# Altium PCB Copy of PCB.PcbDoc
Units mm, origin at the board's own origin, x right, y up, seen from the top; angles counter-clockwise.
Board outline 40 x 38 mm, 2 copper layers (Top Layer, Bottom Layer); 39 components, 67 nets, 273 pads, 70 vias.
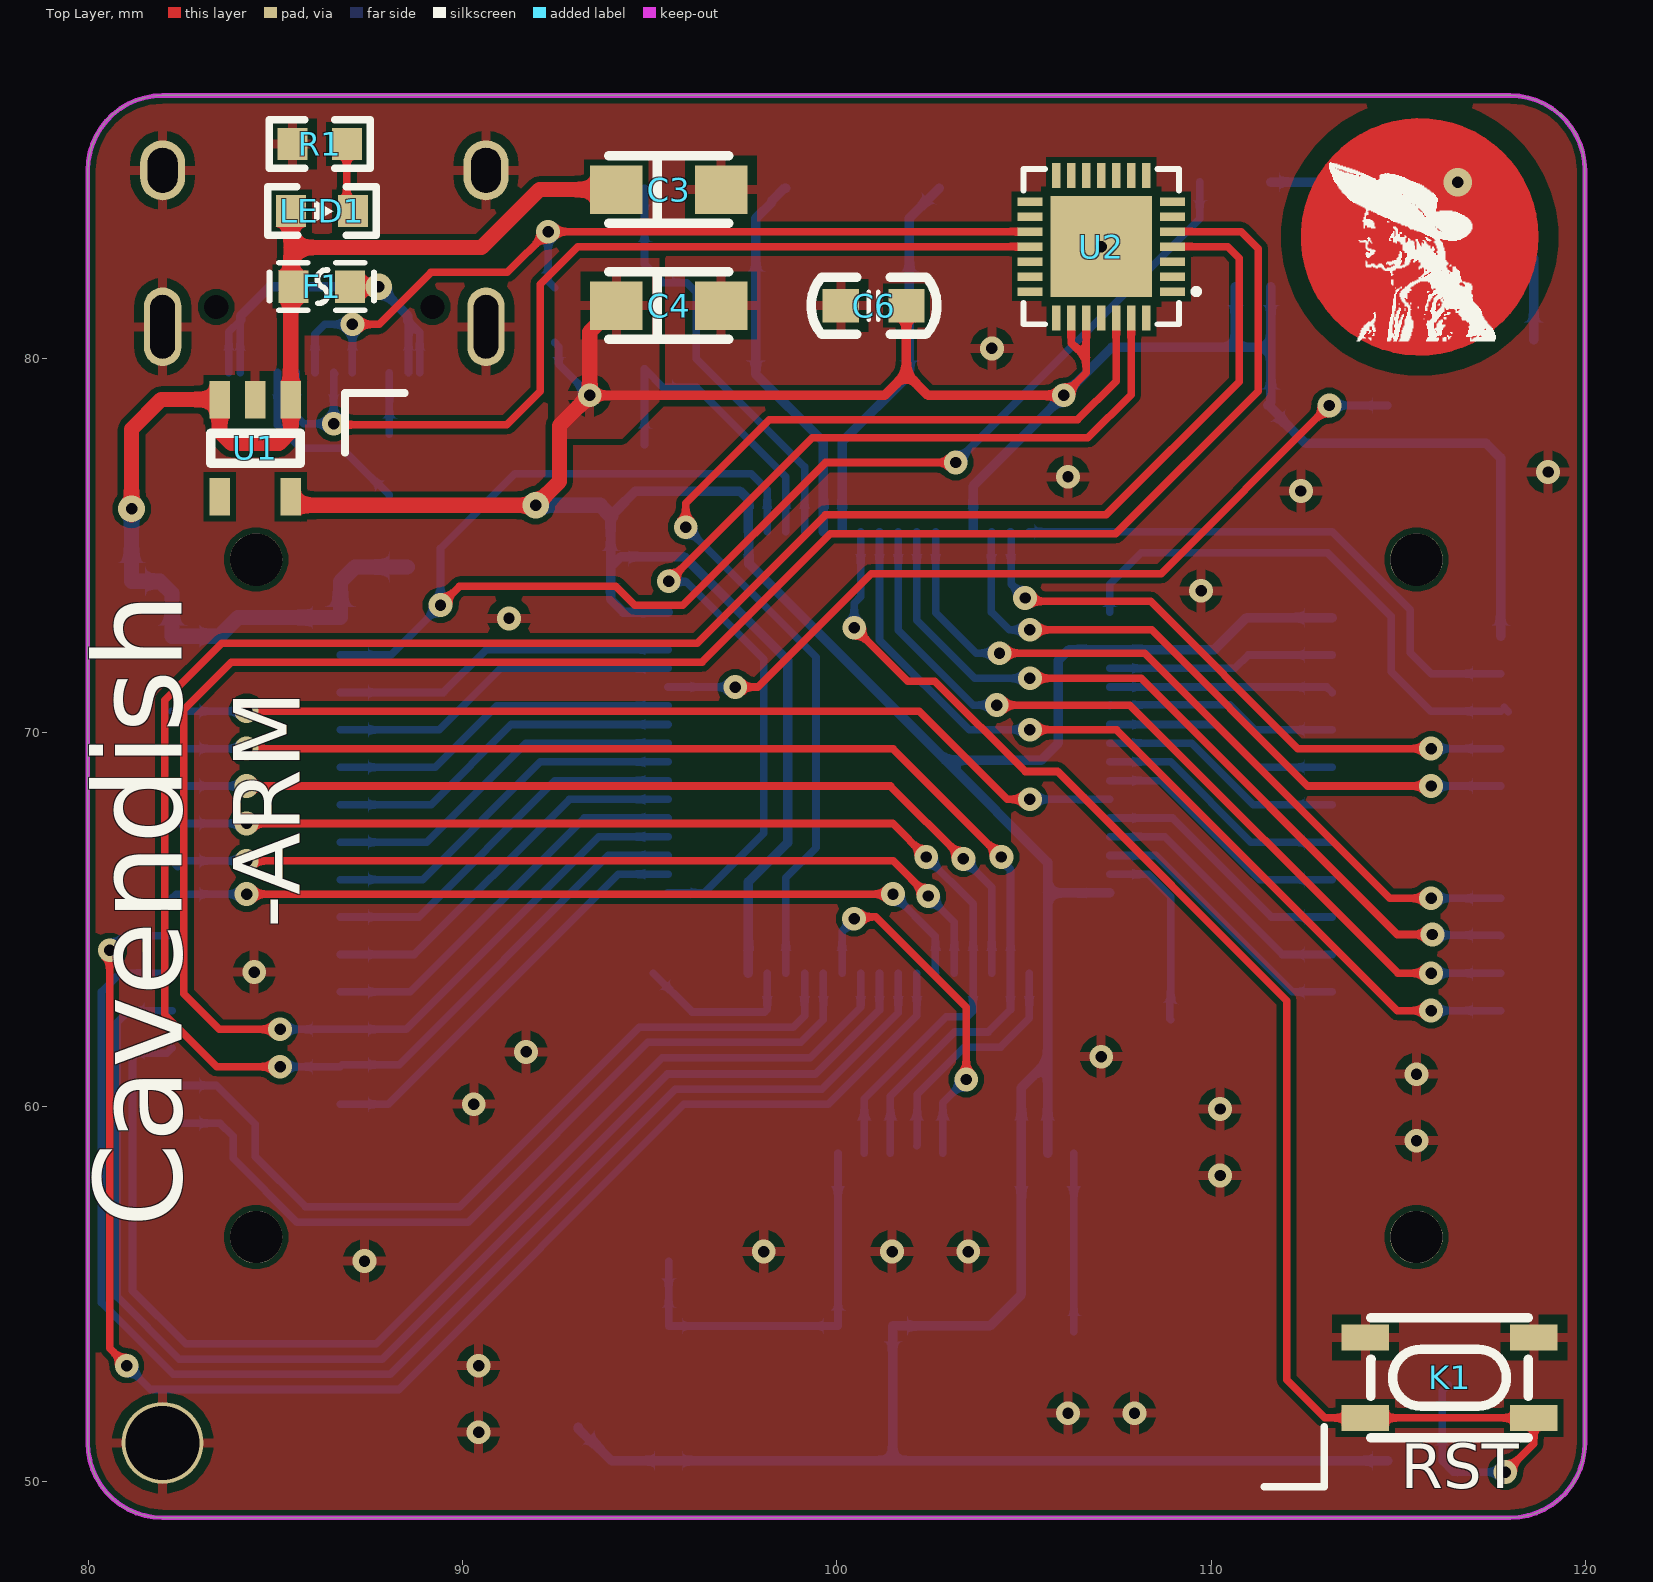
[diagram p0: Top Layer view]
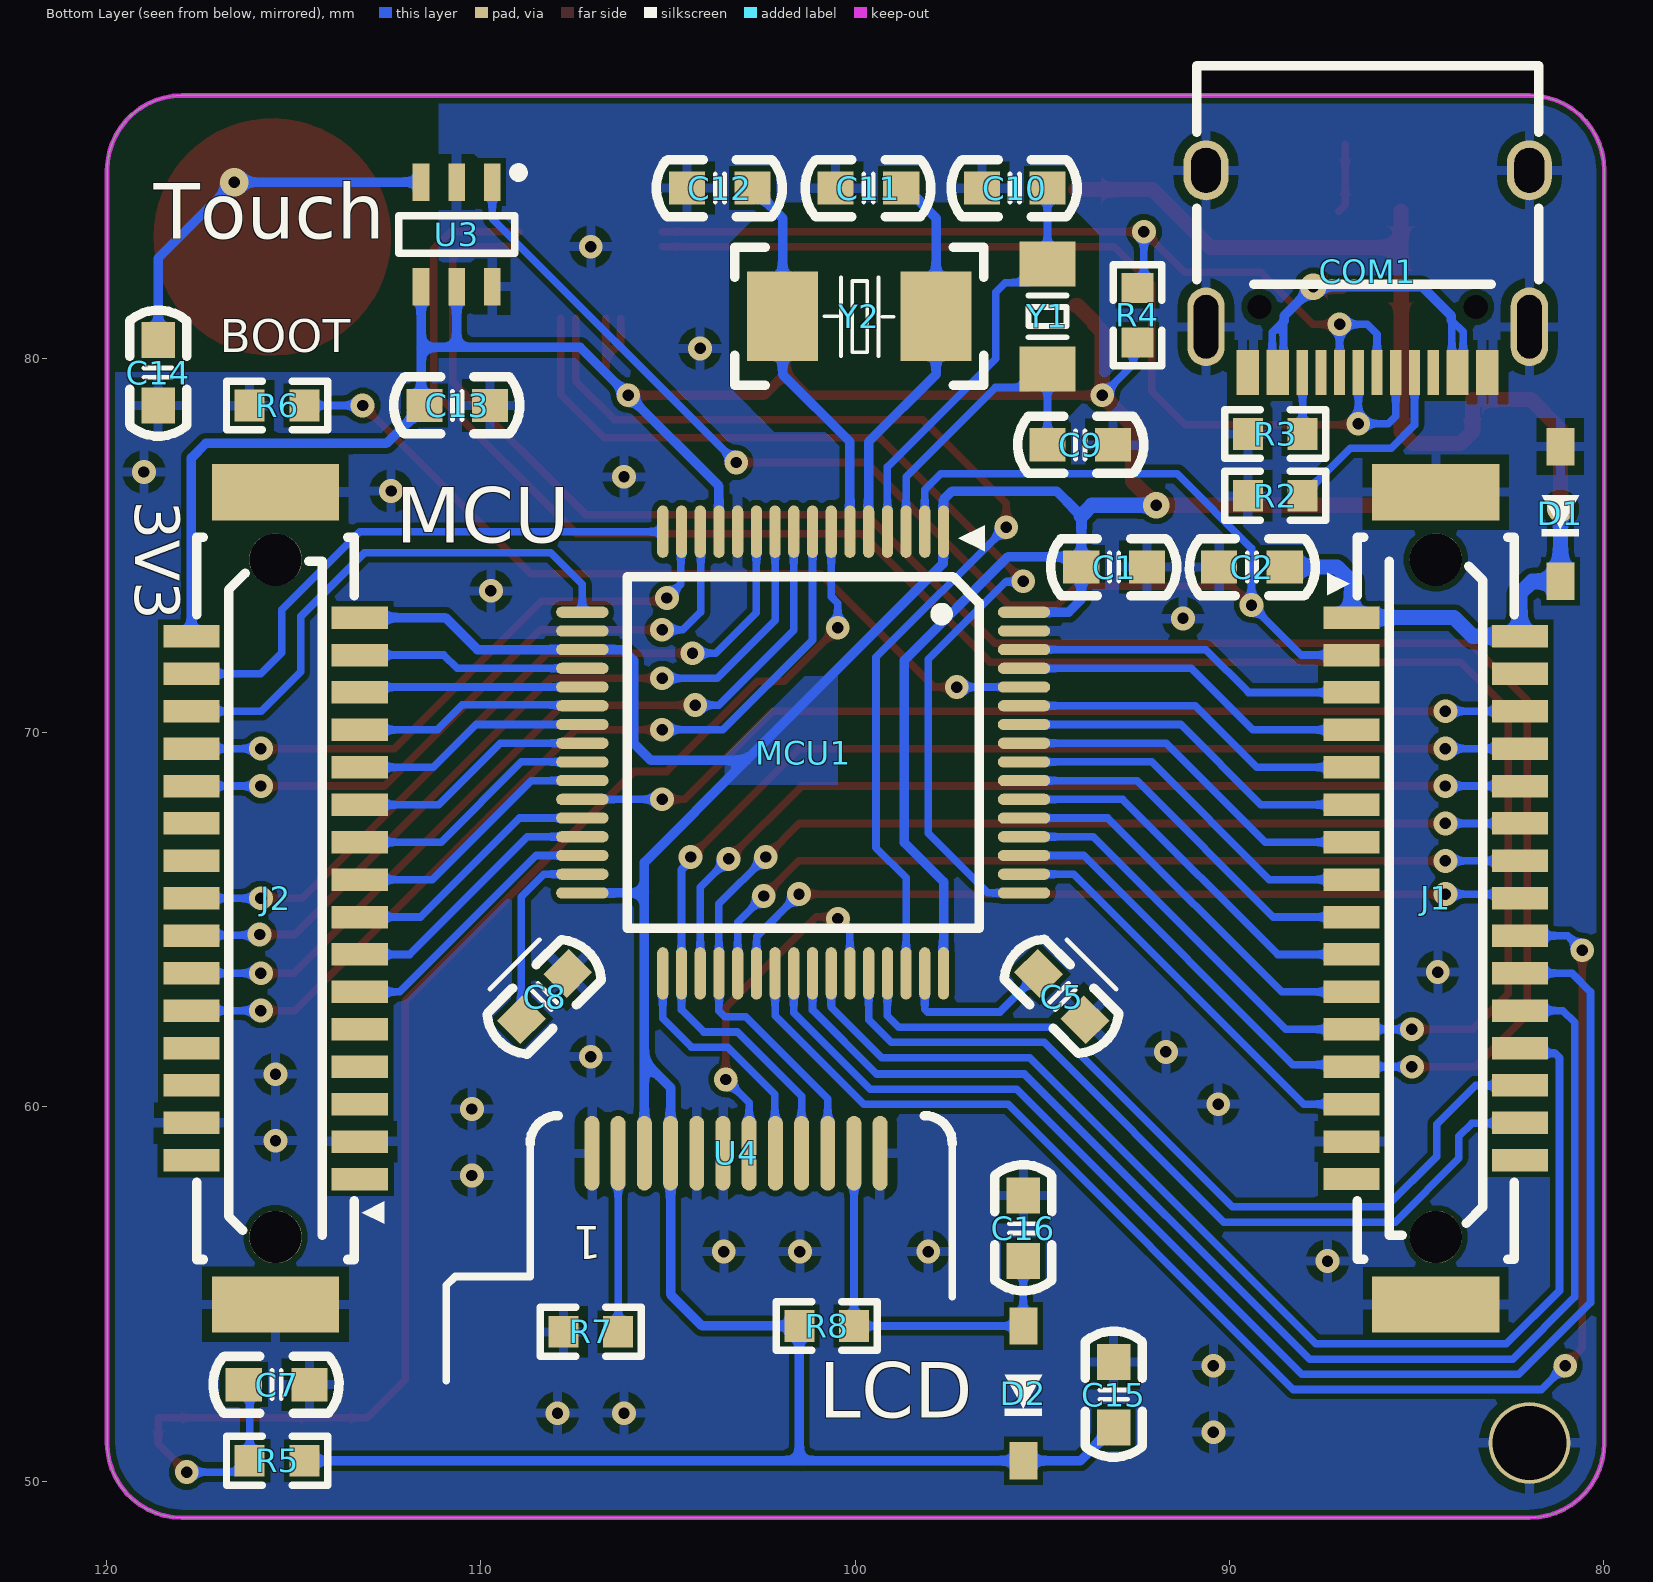
[diagram p1: Bottom Layer view, seen from below]

## Layer stack, top to bottom
Top Solder: solder mask 0.0102, Solder Resist, Dk 3.5
Top Layer: signal copper 0.0356
Dielectric 1: dielectric 0.32, FR-4, Dk 4.8
Bottom Layer: signal copper 0.0356
Bottom Solder: solder mask 0.0102, Solder Resist, Dk 3.5

## Board outline
79.983,51.022 ccw(c81.983,51.022) 81.983,49.022 117.983,49.022 ccw(c117.983,51.022) 119.983,51.022 119.983,85.022 ccw(c117.983,85.022) 117.983,87.022 82.808,87.022 81.983,87.022 ccw(c81.983,85.022) 79.983,85.022

## Design rules (kind name [scope] priority, off if disabled: settings)
Clearance [All] p1: gap=0.152 ignorepadtopadclearanceinfootprint=TRUE
HoleSize [All] p1: absolutevalues=TRUE maxlimit=10.16 minlimit=0.025 maxpercent=80.000 minpercent=20.000
HoleToHoleClearance [All] p1: gap=0.152 allowstackedmicrovias=TRUE
MinimumSolderMaskSliver [All] p1: minsoldermaskwidth=0.025
PolygonConnect [All] p1: connectstyle=Relief reliefconductorwidth=0.254 reliefentries=4 polygonreliefangle="90 Angle" airgapwidth=0.254
RoutingVias [All] p1: holewidth=0.711 width=1.27 viastyle="Through Hole" minholewidth=0.305 minwidth=0.406 maxholewidth=0.711 maxwidth=1.27
SilkToSilkClearance [All] p1: silktosilkclearance=0
SilkToSolderMaskClearance [IsPad] p1: minsilkscreentomaskgap=0 clearancetoexposedcopper=TRUE
SolderMaskExpansion [All] p1: expansion=0.102 istentingtop=FALSE
Width [All] p1: maxlimit=1.27 minlimit=0.203 preferedwidth=0.254
25 further rules are at their usual default settings.

## Components (designator, comment, footprint, x,y, rotation, side; value= is the part's Value field where it differs from the comment)
C1 "100NF" CAP_0603 92.202,74.422 r0 bottom
C2 "100NF" CAP_0603 90.272,74.422 r180 bottom
C3 "100UF" CAP_3216_A 95.504,84.506 r180 top
C4 "100UF" CAP_3216_A 95.504,81.407 r180 top
C5 "10UF" CAP_0603 93.857,62.327 r45 bottom
C6 "100NF" CAP_0603 100.101,81.407 r0 top
C7 "100NF" CAP_0603 114.579,52.578 r0 bottom
C8 "10UF" CAP_0603 107.676,63.566 r315 bottom
C9 "10PF" CAP_0603 94.859,77.688 r180 bottom
C10 "10PF" CAP_0603 94.859,84.547 r0 bottom
C11 "22PF" CAP_0603 98.765,84.547 r0 bottom
C12 "22PF" CAP_0603 102.737,84.547 r0 bottom
C13 "100NF" CAP_0603 109.753,78.74 r0 bottom
C14 "22PF" CAP_0603 118.618,80.493 r270 bottom
C15 "100NF" CAP_0603 93.091,51.435 r90 bottom
C16 "4.7UF" CAP_0603 95.504,55.88 r90 bottom
COM1 "Type-C" USB-Type-C_16A 86.303,84.997 r0 bottom
D1 "B5819W" DIODE_SOD123 81.153,77.641 r270 bottom
D2 "1N4148" DIODE_SOD123 95.504,54.146 r270 bottom
F1 "FUSE" Fuse_0603 86.233,81.915 r0 top
J1 "31PIN" BTB-DM3-31P 84.483,74.622 r270 bottom
J2 "31PIN" BTB-DM3-31P 115.483,56.522 r90 bottom
K1 "KEY" KEY_SMD 114.118,53.839 r0 top
LED1 "LED_R/G/B/Y" LED_0603_R 86.241,83.932 r180 top
MCU1 "STM32F405RET6" LQFP_64_10X10 101.386,69.466 r0 bottom
R1 "10K" RESC_0603_2 86.182,85.725 r0 top
R2 "5.1K" RESC_0603_2 88.773,76.327 r180 bottom
R3 "5.1K" RESC_0603_2 88.773,77.978 r180 bottom
R4 "5.1K" RESC_0603_2 92.456,81.153 r90 bottom
R5 "10K" RESC_0603_2 115.443,50.546 r0 bottom
R6 "10K" RESC_0603_2 115.443,78.74 r0 bottom
R7 "20R" RESC_0603_2 107.059,53.991 r180 bottom
R8 "4.7K" RESC_0603_2 100.759,54.146 r180 bottom
U1 "SPX3819M5-L" SOT23_5 84.455,77.597 r90 top
U2 "CH549F" QFN28-4X4L 108.969,81.783 r180 top
U3 "TTP223" SOT-23-6 109.692,84.709 r270 bottom
U4 "TFT_1.3_12Pin" LCD_1.3B 107.537,59.26 r180 top
Y1 "32KHz" XTAL_SMD_3215 94.859,81.118 r270 bottom
Y2 "8MHz" XTAL-SMD5032-2P 99.886,81.124 r180 bottom

## Footprints (in the part's own frame and the unit in brackets; to place one, negate y for a bottom-side part, rotate by r counter-clockwise, add the part's x,y. Pads: shape width x height; smd on the part's side, far side on the other; paste and mask are expansions set on the pad)
BTB-DM3-31P [mm]
  rect 0.6x1.5 smd: 1(1.55,-2.25) 2(2.05,2.25) 3(2.55,-2.25) 4(3.05,2.25) 5(3.55,-2.25) 6(4.05,2.25) 7(4.55,-2.25) 8(5.05,2.25) 9(5.55,-2.25) 10(6.05,2.25) 11(6.55,-2.25) 12(7.05,2.25) 13(7.55,-2.25) 14(8.05,2.25) 15(8.55,-2.25) 16(9.05,2.25) 17(9.55,-2.25) 18(10.05,2.25) 19(10.55,-2.25) 20(11.05,2.25) 21(11.55,-2.25) 22(12.05,2.25) 23(12.55,-2.25) 24(13.05,2.25) 25(13.55,-2.25) 26(14.05,2.25) 27(14.55,-2.25) 28(15.05,2.25) 29(15.55,-2.25) 30(16.05,2.25) 31(16.55,-2.25)
  rect 1.5x3.4 smd: 32(19.9,0) 33(-1.8,0)
  round 1.4 hole 1.4 unplated: ""(0,0) ""(18.1,0)
  silkscreen extent -0.6,-2.9 18.7,2.1, body extent -1.51,-2.81 19.59,2.79, height 3.35
CAP_0603 [mil]
  rect 38x35 smd: 1(0,0) 2(69,0)
  silkscreen extent -31,-30 101,30, body extent 4,-16 67,16, height 12
CAP_3216_A [mm]
  rect 1.4x1.3 smd: 1(1.4,0) 2(-1.4,0)
  silkscreen extent -1.6,-0.9 1.6,0.9, body extent -1.6,-0.8 1.6,0.8, height 1.6
DIODE_SOD123 [mm]
  rect 1x0.75 smd: 1(0,0) 2(3.6,0)
  silkscreen extent 1.3,-0.5 2.4,0.5, body extent -0.05,-0.8 3.65,0.8, height 1.27
Fuse_0603 [mil]
  rect 31.8x34 smd mask+2: 1(-29.7,0) 2(29.7,0)
  silkscreen extent -55,-25 55,25, body extent -33,-18 34,18, height 30
KEY_SMD [mm] "3*4*2.5MM"
  rect 1.27x0.7 smd: 1(0,0) 1(4.5,0) 2(0,-2.15) 2(4.5,-2.15)
  silkscreen extent 0.15,-2.68 4.35,0.52, body extent -0.1,-2.67 4.6,0.53, height 2.51
LCD_1.3B [mm]
  oval 0.4x2 smd far side: 1(0.508,0.5) 2(1.208,0.5) 3(1.908,0.5) 4(2.608,0.5) 5(3.308,0.5) 6(4.008,0.5) 7(4.708,0.5) 8(5.408,0.5) 9(6.108,0.5) 10(6.808,0.5) 11(7.508,0.5) 12(8.208,0.5)
  silkscreen extent -5.48,-19.81 20.68,9.41, body extent -5.48,-19.81 20.68,9.41, height 1
LED_0603_R [mm]
  rect 0.8x0.85 smd: 1(-0.832,0) 2(0.832,0)
  silkscreen extent -1.45,-0.65 1.45,0.65, body extent -0.81,-0.4 0.81,0.4, height 0.6
LQFP_64_10X10 [mm]
  oval 0.3x1.4 smd: 1(-3.75,-5.9) 2(-3.25,-5.9) 3(-2.75,-5.9) 4(-2.25,-5.9) 5(-1.75,-5.9) 6(-1.25,-5.9) 7(-0.75,-5.9) 8(-0.25,-5.9) 9(0.25,-5.9) 10(0.75,-5.9) 11(1.25,-5.9) 12(1.75,-5.9) 13(2.25,-5.9) 14(2.75,-5.9) 15(3.25,-5.9) 16(3.75,-5.9) 33(3.75,5.9) 34(3.25,5.9) 35(2.75,5.9) 36(2.25,5.9) 37(1.75,5.9) 38(1.25,5.9) 39(0.75,5.9) 40(0.25,5.9) 41(-0.25,5.9) 42(-0.75,5.9) 43(-1.25,5.9) 44(-1.75,5.9) 45(-2.25,5.9) 46(-2.75,5.9) 47(-3.25,5.9) 48(-3.75,5.9)
  oval 1.4x0.3 smd: 17(5.9,-3.75) 18(5.9,-3.25) 19(5.9,-2.75) 20(5.9,-2.25) 21(5.9,-1.75) 22(5.9,-1.25) 23(5.9,-0.75) 24(5.9,-0.25) 25(5.9,0.25) 26(5.9,0.75) 27(5.9,1.25) 28(5.9,1.75) 29(5.9,2.25) 30(5.9,2.75) 31(5.9,3.25) 32(5.9,3.75) 49(-5.9,3.75) 50(-5.9,3.25) 51(-5.9,2.75) 52(-5.9,2.25) 53(-5.9,1.75) 54(-5.9,1.25) 55(-5.9,0.75) 56(-5.9,0.25) 57(-5.9,-0.25) 58(-5.9,-0.75) 59(-5.9,-1.25) 60(-5.9,-1.75) 61(-5.9,-2.25) 62(-5.9,-2.75) 63(-5.9,-3.25) 64(-5.9,-3.75)
  silkscreen extent -4.85,-6.08 4.7,4.7, body extent -6.07,-6.07 6.07,6.07, height 1.62
QFN28-4X4L [mil]
  rect 26.2x8.8 smd mask+2: 1(0,0) 2(0,-15.7) 3(0,-31.5) 4(0,-47.2) 5(0,-63) 6(0,-78.7) 7(0,-94.4) 15(150.2,-94.4) 16(150.2,-78.7) 17(150.2,-63) 18(150.2,-47.2) 19(150.2,-31.5) 20(150.2,-15.7) 21(150.2,0)
  rect 8.8x26.2 smd mask+2: 8(27.9,-122.3) 9(43.6,-122.3) 10(59.4,-122.3) 11(75.1,-122.3) 12(90.9,-122.3) 13(106.6,-122.3) 14(122.3,-122.3) 22(122.3,27.9) 23(106.6,27.9) 24(90.9,27.9) 25(75.1,27.9) 26(59.4,27.9) 27(43.6,27.9) 28(27.9,27.9)
  rect 106.3x106.3 smd mask+2: 29(75.1,-47.2)
  silkscreen extent -28,-129 157,35, body extent -4,-126 154,32, height 35
RESC_0603_2 [mm]
  rect 0.8x0.85 smd: 1(-0.73,0) 2(0.73,0)
  silkscreen extent -1.35,-0.65 1.35,0.65, body extent -0.8,-0.4 0.8,0.4, height 0.38
SOT23_5 [mm]
  rect 1x0.55 smd: 1(1.3,-0.95) 2(1.3,0) 3(1.3,0.95) 4(-1.3,0.95) 5(-1.3,-0.95)
  silkscreen extent -0.4,-1.21 0.4,1.19, body extent -1.52,-1.51 1.48,1.49, height 1.3
SOT-23-6 [mm]
  rect 1x0.45 smd: 1(0,0) 2(0,-0.95) 3(0,-1.9) 4(2.794,-1.9) 5(2.794,-0.95) 6(2.794,0)
  silkscreen extent -0.38,-2.5 1.91,0.82, body extent -0.01,-2.45 2.8,0.55, height 1.15
USB-Type-C_16A [mm]
  round 0 hole 0.65: 0(-2.89,3.625) 0(2.89,3.625)
  oval 1.2x1.6 hole 0.8 slot 1.2 at 90 deg: 1(-4.32,-0.025) 1(4.32,-0.025)
  oval 1x2.1 hole 0.66 slot 1.7 at 90 deg: 1(-4.32,4.155) 1(4.32,4.155)
  rect 0.3x1.2 smd: A1(-3.35,5.375) A4(-2.55,5.375) A5(-1.25,5.375) A6(-0.25,5.375) A7(0.25,5.375) A8(-1.75,5.375) A9(2.55,5.375) A12(3.35,5.375) B1(3.05,5.375) B4(2.25,5.375) B5(1.75,5.375) B6(0.75,5.375) B7(-0.75,5.375) B8(1.25,5.375) B9(-2.25,5.375) B12(-3.05,5.375)
  silkscreen extent -4.57,-2.82 4.57,3.02, body extent -4.47,-2.63 4.47,5.27, height 3.25
XTAL-SMD5032-2P [mil]
  rect 74.8x94.5 smd mask+2: 1(-80.7,0) 2(80.7,0)
  silkscreen extent -131,-73 131,73, body extent -98,-63 99,63, height 39
XTAL_SMD_3215 [mm]
  rect 1.2x1.5 smd: 1(-1.4,0) 2(1.4,0)
  silkscreen extent -0.56,-0.51 0.56,0.51, body extent -1.61,-0.76 1.61,0.76, height 0.91

## Part data
C1 C2 C5 C6 C7 C8 C9 C10 C11 C12 C13 C14 C15 C16: library part CAP, "CAP  12~50V"
C3 C4: library part CAP_TA, "CAP  6~12V  钽电容"
COM1: library part USB-type_c, "USB"
D1 D2: library part Diode-SM, "Diode_肖特基/二极管"
J1 J2: library part BTB_DF3_31Pin, "BTB"
K1: "Key"
LED1: library part LED_SMT, "LED"
MCU1: library part STM32f4_R, "MCU"
R1 R5 R6 R7 R8: library part RES_S, "RES 贴片"
R2 R3 R4: library part RES, "RES 贴片"
U1: "DC-DC   3.3V  500ma"
U2: "MCU", External Clock Frequency Rang=6MHz~25MHz, JLCPCB Part Class="Extended Part", Manufacturer=WCH(南京沁恒), Maximum Frequency=48MHz, Operating Temperature Range=-40~+70, Supply Voltage Range=3.3V~5V, 8Bit Timer Number=-, 16Bit Timer Number=3, 32Bit Timer Number=-, (E)PWM (Units/Channels/bits)=1@x8ch/8bit, (Q)SPI Number=1, ADC (Units/Channels/bits)=1@x16ch/12bit, Add into BOM=yes, CAN Number=-, CMP Number=-, Convert to PCB=yes, CPU Core=51系列, DAC (Units/Channels/bits)=-, Datasheet=https://atta.szlcsc.com/upload/public/pdf/source/20200819/C367229_D216FC0E0489DFB21C5778C34F7DC8A5.pdf, Device=CH549F, EEPROM/Data FLASH Size=1KB, GPIO Ports Number=-, I2C Number=-, I2S Number=-, Internal Oscillator=有, LCSC Part Name=CH549F, Manufacturer Part=CH549F, Peripherals / Functions / Protocol Stacks=低电压检测；看门狗；CCP捕获/比较；触控按键；片载温度传感器；CRC校验；DMA, Program FLASH Size=64KB, RAM Size=2.25KB, Supplier=LCSC, Supplier Footprint=QFN-28, Supplier Part=C367229, Symbol=CH549F, U(S)ART Number=4, USB (H/D/OTG)="全速USB Host/Device"
U3: "触摸芯片"
U4: library part "LCD_1.3   T", "ST7789V-SPI"
Y1 Y2: library part XTAL, "CRYSTAL"

## Free pads (board coordinates)
  round 2.184 hole 1.981: 0(81.983,51.022)

## Via types
v1: diameter 0.635, hole 0.305, Top Layer to Bottom Layer, tented both sides, 66 vias
v2: diameter 0.711, hole 0.305, Top Layer to Bottom Layer, tented both sides, 3 vias
v3: diameter 0.762, hole 0.305, Top Layer to Bottom Layer, tented both sides, 1 vias

## Nets (pads, with @x,y where several pads share a name; then routed paths per layer and width w, separated by ;. In a path a pad name is that pad's centre, name@x,y a point inside that pad or via, vN(x,y) a via of type N, cw(c..) or ccw(c..) an arc to the next point about the centre after c; other vN are vias at no path point)
+5: C2.2 C3.1 D1.2 F1.1 J1.1 J1.2 LED1.2 U1.1 U1.3 | length 35.2
  Top Layer w0.406: v2@81.153,75.819 v2(81.153,75.977) 81.153,78.105 81.945,78.897 U1.3 83.505,78.039 83.82,77.724 85.09,77.724 85.405,78.039 U1.1 F1.1@85.405,81.915 ; LED1.2 85.409,82.958 ; F1.1 85.409,81.984 85.409,82.958 ; C3.1 92.05,84.506 90.502,82.958 85.409,82.958
  Bottom Layer w0.406: v2(81.153,75.977) D1.2 81.915,74.041 82.233,73.723 J1.2 83.494,72.572 83.994,73.072 J1.1 86.733,74.033 87.122,74.422 C2.2
BOOT0: MCU1.60 R6.1 | length 22.3
  Top Layer w0.203: v1(97.282,71.216) 97.886,71.216 100.914,74.244 108.661,74.244 v1(113.157,78.74)
  Bottom Layer w0.203: MCU1.60 v1(97.282,71.216) ; v1(113.157,78.74) R6.1
BOOT1: J2.15 MCU1.28 | length 7
  Bottom Layer w0.203: MCU1.28 108.966,67.716 111.611,65.072 J2.15
CAN_RX: J1.28 MCU1.44 | length 22.3
  Bottom Layer w0.203: J1.28 82.242,59.563 83.515,59.563 83.866,59.212 83.866,58.628 85.573,56.921 90.145,56.921 94.945,61.722 99.035,61.722 99.636,62.324 MCU1.44
CAN_TX: J1.26 MCU1.45 | length 22
  Bottom Layer w0.203: J1.26 83.42,60.572 84.455,59.538 84.455,58.674 85.801,57.328 89.917,57.328 94.718,62.128 98.827,62.128 99.136,62.438 MCU1.45
CC1: COM1.A5 R2.2 | length 5.2
  Bottom Layer w0.203: COM1.A5 85.053,78.218 85.674,77.597 86.773,77.597 87.72,76.65 87.745,76.65 88.043,76.352 R2.2
CC2: COM1.B5 R3.2 | length 1.6
  Bottom Layer w0.203: R3.2 COM1.B5@88.043,79.612
CH_RXD: J1.25 MCU1.51 U2.4 | length 62.2
  Top Layer w0.203: v1(85.121,61.072) 83.428,61.072 82.042,62.459 82.042,64.516 82.042,70.866 83.566,72.39 96.266,72.39 99.695,75.819 107.188,75.819 110.744,79.375 110.744,82.677 110.439,82.982 U2.4
  Bottom Layer w0.203: v1(85.121,61.072) J1.25 86.787,61.126 88.304,61.126 93.894,66.716 MCU1.51
CH_TXD: J1.23 MCU1.52 U2.5 | length 61.6
  Top Layer w0.203: v1(85.121,62.072) 83.495,62.072 82.55,63.017 82.55,70.612 83.82,71.882 96.393,71.882 99.822,75.311 107.442,75.311 111.252,79.121 111.252,82.931 110.8,83.383 U2.5
  Bottom Layer w0.203: v1@85.115,62.078 v1(85.121,62.072) J1.23 88.488,62.072 93.632,67.216 MCU1.52
D+: COM1.A6 COM1.B6 R4.2 U2.17 | length 24.1
  Top Layer w0.203: v1(87.053,80.907) 87.765,80.907 89.154,82.296 91.194,82.296 v1(92.281,83.383) U2.17
  Bottom Layer w0.203: COM1.A6 86.053,80.643 86.317,80.907 v1(87.053,80.907) COM1.B6 ; v1(92.281,83.383) 92.281,82.058 R4.2
D-: COM1.A7 COM1.B7 U2.18 | length 25.9
  Top Layer w0.203: v1@86.583,78.224 91.178,78.224 92.075,79.121 92.075,81.984 93.073,82.982 U2.18
  Bottom Layer w0.203: COM1.B7 85.553,78.455 85.754,78.254 v1(86.553,78.254) COM1.A7 COM1.A7@86.583,79.592
D/C: MCU1.43 U4.7 | length 9.8
  Top Layer w0.203: v1(100.457,65.024) 100.508,65.075 101.041,65.075 103.454,62.662 v1(103.454,60.731)
  Bottom Layer w0.203: MCU1.43 100.136,64.689 100.457,65.01 v1(100.457,65.024) ; U4.7 102.829,60.106 v1(103.454,60.731)
DAC_OUT1: J2.29 MCU1.20 | length 6.1
  Bottom Layer w0.203: MCU1.20 110.629,71.716 110.985,72.072 J2.29
DAC_OUT2: J2.27 MCU1.21 | length 6
  Bottom Layer w0.203: MCU1.21 113.088,71.216 J2.27
DIR: J2.21 MCU1.24 | length 6.6
  Bottom Layer w0.203: MCU1.24 109.481,69.716 111.125,68.072 J2.21
GND: C1.1 C2.1 C3.2 C4.2 C5.1 C6.1 C7.1 C8.1 C9.2 C10.2 C11.2 C12.2 C13.1 C14.2 C15.2 C16.2 COM1.1 COM1.A1 COM1.A12 COM1.B1 COM1.B12 D1.1 J1.29 J1.32 J1.33 J2.3 J2.4 J2.32 J2.33 K1.1 MCU1.12 MCU1.18 MCU1.63 pad.0 R1.1 R2.1 R3.1 R6.2 R7.1 U1.2 U2.29 U3.2 U3.6 U4.1 U4.5 U4.6 U4.12
  other v1: 90.424,51.308 106.172,51.816 107.95,51.816 90.424,53.086 87.376,55.88 98.044,56.134 101.473,56.134 103.505,56.134 110.236,58.166 115.483,59.095 110.236,59.944 90.297,60.071 115.483,60.873 107.061,61.341 91.694,61.468 84.43,63.602 91.237,73.05 109.728,73.787 112.395,76.454 106.172,76.835 118.999,76.962 104.14,80.264 107.061,82.982
GPIOA: J1.15 MCU1.56 | length 10.1
  Bottom Layer w0.203: J1.15 88.932,66.072 92.076,69.216 MCU1.56
GPIOB: J1.13 MCU1.57 | length 9.8
  Bottom Layer w0.203: J1.13 89.043,67.072 91.687,69.716 MCU1.57
MISO_2: J1.10 MCU1.35 | length 25.3
  Top Layer w0.203: v1(84.226,68.572) 101.43,68.572 v1(103.378,66.624)
  Bottom Layer w0.203: J1.10 v1(84.226,68.572) ; v1(103.378,66.624) 104.136,65.866 MCU1.35
MOSI_2: J1.12 MCU1.36 U4.10 | length 30.5
  Top Layer w0.203: v1(84.226,67.572) 101.49,67.572 v1(102.387,66.675)
  Bottom Layer w0.203: J1.12 v1(84.226,67.572) ; U4.10 100.729,60.216 102.921,62.408 103.48,62.408 103.636,62.564 MCU1.36 103.636,65.426 v1(102.387,66.675)
NetC5_2: C5.2 MCU1.47 | length 4.5
  Bottom Layer w0.203: C5.2 96.128,62.535 98.063,62.535 98.136,62.608 MCU1.47
NetC8_2: C8.2 MCU1.31 | length 5.2
  Bottom Layer w0.203: MCU1.31 108.312,66.216 108.916,65.613 108.916,62.866 108.889,62.839 108.889,62.354 C8.2
NetLED1_1: LED1.1 R1.2 | length 1.9
  Top Layer w0.203: R1.2@86.904,85.717 86.904,84.1 LED1.1
NetR7_2: R7.2 U4.2 | length 4.8
  Bottom Layer w0.203: R7.2 U4.2
NRST: C7.2 K1.2 MCU1.7 R5.2 | length 41.2
  Top Layer w0.203: v1(100.461,72.8) 101.887,71.374 102.616,71.374 105.029,68.961 105.893,68.961 112.014,62.84 112.014,52.705 113.03,51.689 114.118,51.689 118.618,51.689 118.618,51.003 v1(117.856,50.241)
  Bottom Layer w0.203: v1(100.461,72.8) 100.461,73.461 100.636,73.636 MCU1.7 ; C7.2 116.173,52.419 116.173,50.54 116.471,50.241 v1(117.856,50.241)
NSS_2: MCU1.33 U4.8 | length 6.4
  Bottom Layer w0.203: U4.8@102.129,58.963 102.144,58.978 102.144,60.335 103.403,61.595 104.369,61.595 105.136,62.363 MCU1.33
NSS_2_2: J1.6 MCU1.27 | length 26
  Top Layer w0.203: v1(84.226,70.572) 102.199,70.572 104.554,68.216 v1(105.156,68.216)
  Bottom Layer w0.203: J1.6 v1(84.226,70.572) ; v1(105.156,68.216) MCU1.27
NSS_2_3: J2.17 MCU1.26 | length 7
  Bottom Layer w0.203: MCU1.26 108.652,68.716 111.296,66.072 J2.17
PC00: J2.10 MCU1.8 | length 23.6
  Top Layer w0.203: v1(105.156,70.079) 107.467,70.079 114.974,62.572 v1(115.875,62.572)
  Bottom Layer w0.203: MCU1.8 101.136,72.473 103.53,70.079 v1(105.156,70.079) ; v1(115.875,62.572) J2.10
PC01: J2.12 MCU1.9 | length 22.5
  Top Layer w0.203: v1(104.271,70.735) 107.827,70.735 114.99,63.572 v1(115.875,63.572)
  Bottom Layer w0.203: MCU1.9 101.636,72.735 103.636,70.735 v1(104.271,70.735) ; v1(115.875,63.572) J2.12
PC02: J2.14 MCU1.10 | length 21.5
  Top Layer w0.203: v1(105.156,71.45) 108.128,71.45 114.973,64.605 v1(115.908,64.605)
  Bottom Layer w0.203: MCU1.10 102.136,72.997 103.683,71.45 v1(105.156,71.45) ; v1(115.908,64.605) 115.925,64.589 117.716,64.589 J2.14
PC03: J2.16 MCU1.11 | length 20.4
  Top Layer w0.203: v1(104.343,72.122) 108.218,72.122 114.768,65.572 v1(115.875,65.572)
  Bottom Layer w0.203: MCU1.11 102.636,73.208 103.722,72.122 v1(104.343,72.122) ; v1(115.875,65.572) J2.16
PC12: J1.21 MCU1.53 | length 10.7
  Bottom Layer w0.203: J1.21 88.599,63.072 93.243,67.716 MCU1.53
PC13: J1.3 MCU1.2 U3.1 | length 41.6
  Top Layer w0.203: v1(89.408,73.406) 89.916,73.914 94.092,73.914 94.6,73.406 95.885,73.406 99.695,77.216 v1(103.175,77.216)
  Bottom Layer w0.203: J1.3 88.074,72.072 v1(89.408,73.406) 89.408,74.93 91.391,76.913 97.712,76.913 98.136,76.489 MCU1.2 ; v1(103.175,77.216) 109.692,83.734 U3.1
PD02: J1.19 MCU1.54 | length 10.5
  Bottom Layer w0.203: J1.19 88.71,64.072 92.854,68.216 MCU1.54
RES: C16.1 D2.1 R8.2 U4.11 | length 10.9
  Bottom Layer w0.203: C16.1 D2.1 R8.2 U4.11
SCK_2: J1.8 MCU1.34 U4.9 | length 33.2
  Top Layer w0.203: v1(84.226,69.572) 101.497,69.572 v1(104.394,66.675)
  Bottom Layer w0.203: J1.8 v1(84.226,69.572) ; U4.9 101.429,60.281 103.149,62.001 104.038,62.001 104.636,62.599 MCU1.34 104.636,66.34 104.394,66.582 v1(104.394,66.675)
SCL_2: J2.13 MCU1.29 | length 7.2
  Bottom Layer w0.203: MCU1.29 108.755,67.216 111.899,64.072 J2.13
SDA_2: J2.11 MCU1.30 | length 7.5
  Bottom Layer w0.203: MCU1.30 108.518,66.716 112.163,63.072 J2.11
STEP: J2.19 MCU1.25 | length 6.8
  Bottom Layer w0.203: MCU1.25 108.914,69.216 111.058,67.072 J2.19
SWCLK: MCU1.49 U2.27 | length 27.7
  Top Layer w0.203: v1(95.504,74.041) 99.339,77.876 106.705,77.876 107.861,79.032 U2.27
  Bottom Layer w0.203: MCU1.49 96.45,65.716 98.044,67.31 98.044,71.956 95.968,74.032 95.513,74.032 v1(95.504,74.041)
SWDIO: MCU1.46 U2.26 | length 28.9
  Top Layer w0.203: v1(95.961,75.489) 95.961,76.124 98.196,78.359 106.426,78.359 107.46,79.393 U2.26
  Bottom Layer w0.203: v1(95.961,75.489) 99.441,72.009 99.441,66.929 98.636,66.124 MCU1.46
TM1_CH1: J1.22 MCU1.41 | length 34.8
  Bottom Layer w0.203: J1.22 81.089,62.572 80.772,62.255 80.772,54.921 82.432,53.261 87.856,53.261 95.472,60.877 99.425,60.877 101.136,62.589 MCU1.41
TM1_CH2: J1.24 MCU1.42 | length 32.1
  Bottom Layer w0.203: J1.24 82.094,61.433 81.297,61.433 81.178,61.314 81.178,55.09 82.601,53.667 87.687,53.667 95.336,61.316 99.289,61.316 100.636,62.663 MCU1.42
TM2_CH1: J1.27 MCU1.50 | length 11.3
  Bottom Layer w0.203: J1.27 88.012,60.072 94.156,66.216 MCU1.50
TM2_CH2: J1.17 MCU1.55 | length 10.3
  Bottom Layer w0.203: J1.17 88.821,65.072 92.465,68.716 MCU1.55
TM3_CH1: J2.25 MCU1.22 | length 6.2
  Bottom Layer w0.203: MCU1.22 107.292,70.716 107.315,70.739 107.319,70.735 107.923,70.735 107.927,70.739 110.49,70.739 111.157,70.072 J2.25
TM3_CH2: J2.23 MCU1.23 | length 6.4
  Bottom Layer w0.203: MCU1.23 110.124,70.216 111.268,69.072 J2.23
TM4_CH1: J1.11 MCU1.58 | length 9.6
  Bottom Layer w0.203: J1.11 89.154,68.072 91.298,70.216 MCU1.58
TM4_CH2: J1.9 MCU1.59 | length 9.4
  Bottom Layer w0.203: J1.9 89.265,69.072 90.909,70.716 MCU1.59
TM4_CH3: J1.7 MCU1.61 | length 9.4
  Bottom Layer w0.203: J1.7 89.376,70.072 91.02,71.716 MCU1.61
TM4_CH4: J1.5 MCU1.62 | length 9.2
  Bottom Layer w0.203: J1.5 89.487,71.072 90.631,72.216 MCU1.62
TM5_CH1: J2.22 MCU1.14 | length 17.7
  Top Layer w0.203: v1(105.156,72.745) 108.408,72.745 112.581,68.572 v1(115.875,68.572)
  Bottom Layer w0.203: MCU1.14 104.12,75.35 104.12,73.223 104.598,72.745 v1(105.156,72.745) ; v1(115.875,68.572) J2.22
TM5_CH2: J2.24 MCU1.15 | length 16.2
  Top Layer w0.203: v1@105.154,73.469 105.19,73.505 108.384,73.505 112.317,69.572 v1(115.875,69.572)
  Bottom Layer w0.203: MCU1.15 104.655,75.348 104.655,73.968 v1(105.027,73.596) ; v1(115.875,69.572) J2.24
TM8_CH1: J1.14 MCU1.37 | length 23.2
  Top Layer w0.203: v1(84.226,66.572) 101.5,66.572 v1(102.438,65.634)
  Bottom Layer w0.203: J1.14@82.384,66.421 J1.14 v1(84.226,66.572) ; v1(102.438,65.634) 103.136,64.936 MCU1.37
TM8_CH2: J1.16 MCU1.38 | length 21.9
  Top Layer w0.203: v1(84.226,65.684) v1(101.498,65.684)
  Bottom Layer w0.203: J1.16 82.345,65.684 v1(84.226,65.684) ; v1(101.498,65.684) 102.631,64.551 102.631,63.571 MCU1.38
TM8_CH3: J1.18 MCU1.39 | length 39.8
  Top Layer w0.203: v1(80.569,64.186) 80.569,53.548 81.026,53.091 v1(81.026,53.086)
  Bottom Layer w0.203: v1(80.569,64.186) 80.955,64.572 J1.18 ; v1(81.026,53.086) 81.664,52.448 88.288,52.448 95.904,60.065 99.762,60.065 102.136,62.439 MCU1.39
TM8_CH4: J1.20 MCU1.40 | length 37.5
  Bottom Layer w0.203: J1.20 80.844,63.572 80.351,63.079 80.351,54.767 82.264,52.855 88.059,52.855 95.675,60.471 99.593,60.471 101.636,62.514 MCU1.40
Touch: C14.1 U3.3 | length 29.2
  Top Layer w0.254: 118.618,83.244 ccw(c115.57,83.244) 118.618,83.244
  Bottom Layer w0.254: U3.3 v3(116.586,84.709) 118.618,82.677 C14.1
UART-RXD2: J2.26 MCU1.17 | length 14.3
  Bottom Layer w0.203: MCU1.17 107.286,73.961 108.128,74.803 113.106,74.803 114.808,73.101 114.808,71.628 115.864,70.572 J2.26 ; J2.26@117.831,70.67 J2.26@117.939,70.561
UART-TXD2: J2.28 MCU1.16 | length 14.8
  Bottom Layer w0.203: MCU1.16 113.229,75.366 115.316,73.279 115.316,72.136 115.88,71.572 J2.28
VBUS: COM1.A4 COM1.A9 COM1.B4 COM1.B9 F1.2 | length 11.9
  Top Layer w0.406: F1.2 v2(87.757,81.915)
  Bottom Layer w0.203: COM1.A4 83.753,80.705 84.053,81.005 COM1.B9 ; COM1.B4 88.553,80.992 88.853,80.692 COM1.A9
  Bottom Layer w0.254: 84.068,81.02 84.068,81.134 84.849,81.915 v2(87.757,81.915) 88.538,81.134 88.538,81.007 88.553,80.992
VDD: C1.2 C4.1 C6.2 C13.2 C15.1 D2.2 J2.30 J2.31 MCU1.1 MCU1.13 MCU1.19 MCU1.32 MCU1.48 MCU1.64 R4.1 R5.1 R8.1 U1.5 U2.23 U2.24 U3.4 U3.5 U4.3 U4.4 | length 156.9
  Top Layer w0.203: v1(106.061,79.01) 106.66,79.609 106.66,80.01 ; U2.23 106.261,80.409 106.66,80.01 ; U2.24 106.66,80.01
  Top Layer w0.254: v1(93.393,79.01) 101.273,79.01 101.854,79.591 ; C6.2 101.854,79.591 ; v1(106.061,79.01) 102.435,79.01 101.854,79.591
  Top Layer w0.406: U1.5 85.405,76.094 85.426,76.073 v2(91.948,76.073) 92.583,76.708 92.583,78.2 v1(93.393,79.01) 93.393,80.706 93.607,80.921 93.607,80.96 94.054,81.407 C4.1
  Bottom Layer w0.203: R4.1 92.566,80.313 92.566,79.837 v1(93.393,79.01)
  Bottom Layer w0.254: C15.1 93.091,51.397 93.408,51.079 93.447,51.079 93.98,50.546 101.489,50.546 ; MCU1.64 94.297,73.216 93.955,73.558 C1.2 ; MCU1.48 97.636,66.013 98.679,67.056 98.679,71.932 95.91,74.701 94.234,74.701 C1.2 ; MCU1.13 103.636,76.585 v1(106.061,79.01) 107.34,80.289 110.642,80.289 ; U4.3 105.629,61.214 ; MCU1.32 105.629,65.716 ; U3.5 110.642,80.289 ; U3.4 111.592,80.289 ; J2.31 110.943,73.072 110.088,72.216 MCU1.19 106.202,72.216 105.918,71.933 105.918,69.723 105.461,69.266 102.895,69.266 ; R5.1 101.489,50.546 ; J2.30 117.733,77.339 117.348,77.724 112.522,77.724 111.862,78.384 111.862,78.422 111.544,78.74 C13.2 111.592,78.826 111.592,80.289 ; C1.2 93.955,75.794 94.615,76.454 97.409,76.454 97.636,76.227 MCU1.1 97.645,75.358 97.645,74.516 102.895,69.266 ; 101.489,50.546 R8.1 104.084,54.146 104.929,54.991 U4.4 104.929,60.514 105.629,61.214 ; 102.895,69.266 105.629,66.532 105.629,65.716 ; 105.629,61.214 105.629,65.716 ; 110.642,80.289 111.592,80.289
  Bottom Layer w0.406: v2(91.948,76.073) 93.675,76.073 93.955,75.794
XTALA: C11.1 MCU1.5 Y2.2 | length 10.3
  Bottom Layer w0.254: C11.1@98.638,84.547 98.6,84.547 98.257,84.204 98.257,84.166 97.836,83.746 Y2.2 97.836,79.569 99.636,77.77 MCU1.5
XTALB: C12.1 MCU1.6 Y2.1 | length 10.3
  Bottom Layer w0.254: MCU1.6 100.136,77.77 101.936,79.569 Y2.1 101.936,83.746 C12.1
XTALC: C9.1 MCU1.3 Y1.2 | length 8.5
  Bottom Layer w0.203: C9.1 Y1.2 95.358,79.219 96.25,79.219 98.636,76.833 MCU1.3
XTALD: C10.1 MCU1.4 Y1.1 | length 13
  Bottom Layer w0.203: C10.1@94.859,84.176 Y1.1 ; C10.1 Y1.1 ; MCU1.4 99.136,77.095 96.241,79.99 96.241,81.768 95.99,82.019 95.358,82.019 Y1.1
pads on no net: COM1.0 COM1.A8 COM1.B8 J1. J1.4 J1.30 J1.31 J2. J2.1 J2.2 J2.5 J2.6 J2.7 J2.8 J2.9 J2.18 J2.20 U1.4 U2.1 U2.2 U2.3 U2.6 U2.7 U2.8 U2.9 U2.10 U2.11 U2.12 U2.13 U2.14 U2.15 U2.16 U2.19 U2.20 U2.21 U2.22 U2.25 U2.28

## Polygon pours and split planes (outlines as drawn)
GND on Bottom Layer "GND_L02_P003" (solid, remove dead copper, pour order 3): 78.44,89.949 125.94,89.949 125.94,47.449 78.44,47.449
VDD on Bottom Layer "VDD_L02_P000" (solid, remove dead copper, pour order 0): 100.457,71.501 100.457,68.605 103.48,68.605 103.48,69.367 101.346,71.501
VDD on Top Layer "VDD_L01_P001" (solid, remove dead copper, pour order 1): 92.456,82.677 95.25,82.677 95.25,78.842 94.259,77.851 92.71,77.851 92.456,78.105
GND on Top Layer "GND_L01_P004" (solid, remove dead copper, pour order 4): 77.5,90 125,90 125,47.5 77.5,47.5

## Keep-outs
Keep-Out Layer:
  the board outline again, w0.127

## Other copper
Top Layer:
  pour cut-out: 111.862,83.244 ccw(c115.57,83.244) 115.57,79.536 ccw(c115.57,83.244) 119.278,83.244 ccw(c115.57,83.244) 115.57,86.952 ccw(c115.57,83.244)
  region net Touch: 112.522,83.244 ccw(c115.57,83.244) 115.57,80.196 ccw(c115.57,83.244) 118.618,83.244 ccw(c115.57,83.244) 115.57,86.292 ccw(c115.57,83.244)
  pour cut-out: 85.598,81.661 86.614,81.661 86.614,80.614 86.612,80.612 85.631,80.612 85.598,80.645
  pour cut-out: 102.235,69.596 103.759,69.596 104.648,68.707 104.648,66.548 102.514,66.548 102.387,66.675
Bottom Layer:
  pour cut-out: 111.125,87 120.5,87 120.5,79.629 111.125,79.629
  pour cut-out: 93.472,83.312 94.326,84.166 102.27,84.166 103.378,83.058 103.378,79.248 102.159,78.029 94.691,78.029 93.472,79.248

## Silkscreen, mask and mechanical layers (free items; w line width, h text height)
Top Overlay:
  drawing of 789 lines, arcs and shapes, not listed
  text "-ARM" at 86.233,64.77 h3.05 r90
  text "Cavendish" at 83.274,56.769 h4.06 r90
  text "RST" at 115.062,49.422 h2.03
Bottom Overlay:
  lines w0.127: 93.019,63.144 94.34,64.465 ; 108.433,64.465 109.753,63.144
  text "Touch" at 118.743,82.7 h2.54
  text "BOOT" at 116.967,79.872 h1.52
  text "3V3" at 119.615,76.2 h2.03 r90
  text "MCU" at 112.268,74.572 h2.54
  text "LCD" at 100.965,51.204 h2.54
Top Solder:
  lines w0.254: 98.425,83.947 103.378,83.947 ; 100.711,86.487 101.092,86.106 ; 101.092,85.725 101.092,86.106 ; 101.473,86.487 101.092,86.106
  text "3.14" at 100.076,84.347 h2.03
  text "V" at 98.552,84.328 h2.29
Mechanical 15:
  lines w0.127: 78.359,49.022 81.983,49.022 ; 79.178,51.022 81.983,51.022 81.983,48.421 ; 79.204,56.522 84.483,56.522 84.483,48.308 ; 79.348,87.022 81.983,87.022 ; 79.983,47.625 79.983,51.022 ; 79.983,85.022 79.983,87.808 ; 99.983,51.022 99.983,52.739 99.983,76.361 ; 116.483,56.522 116.483,51.022 117.983,51.022 ; 117.983,49.022 120.618,49.022 ; 119.983,48.236 119.983,51.022
  text "5.5MM" at 79.647,52.426 h0.76 r90
  text "38MM" at 78.751,49.962 h1.52 r90
  text "2MM" at 79.654,49.302 h0.76 r90
  text "2MM" at 80.239,48.412 h0.76
  text "2.5MM" at 82.297,48.419 h0.76
  text "40MM" at 80.569,47.283 h1.52

## Text inside footprints (layer, text, board x,y; h text height)
U4: Bottom Overlay "1" at 106.766,57.099 h1.52 r180